# Altium PCB main_io.PcbDoc (part 2 of 6) (continued)
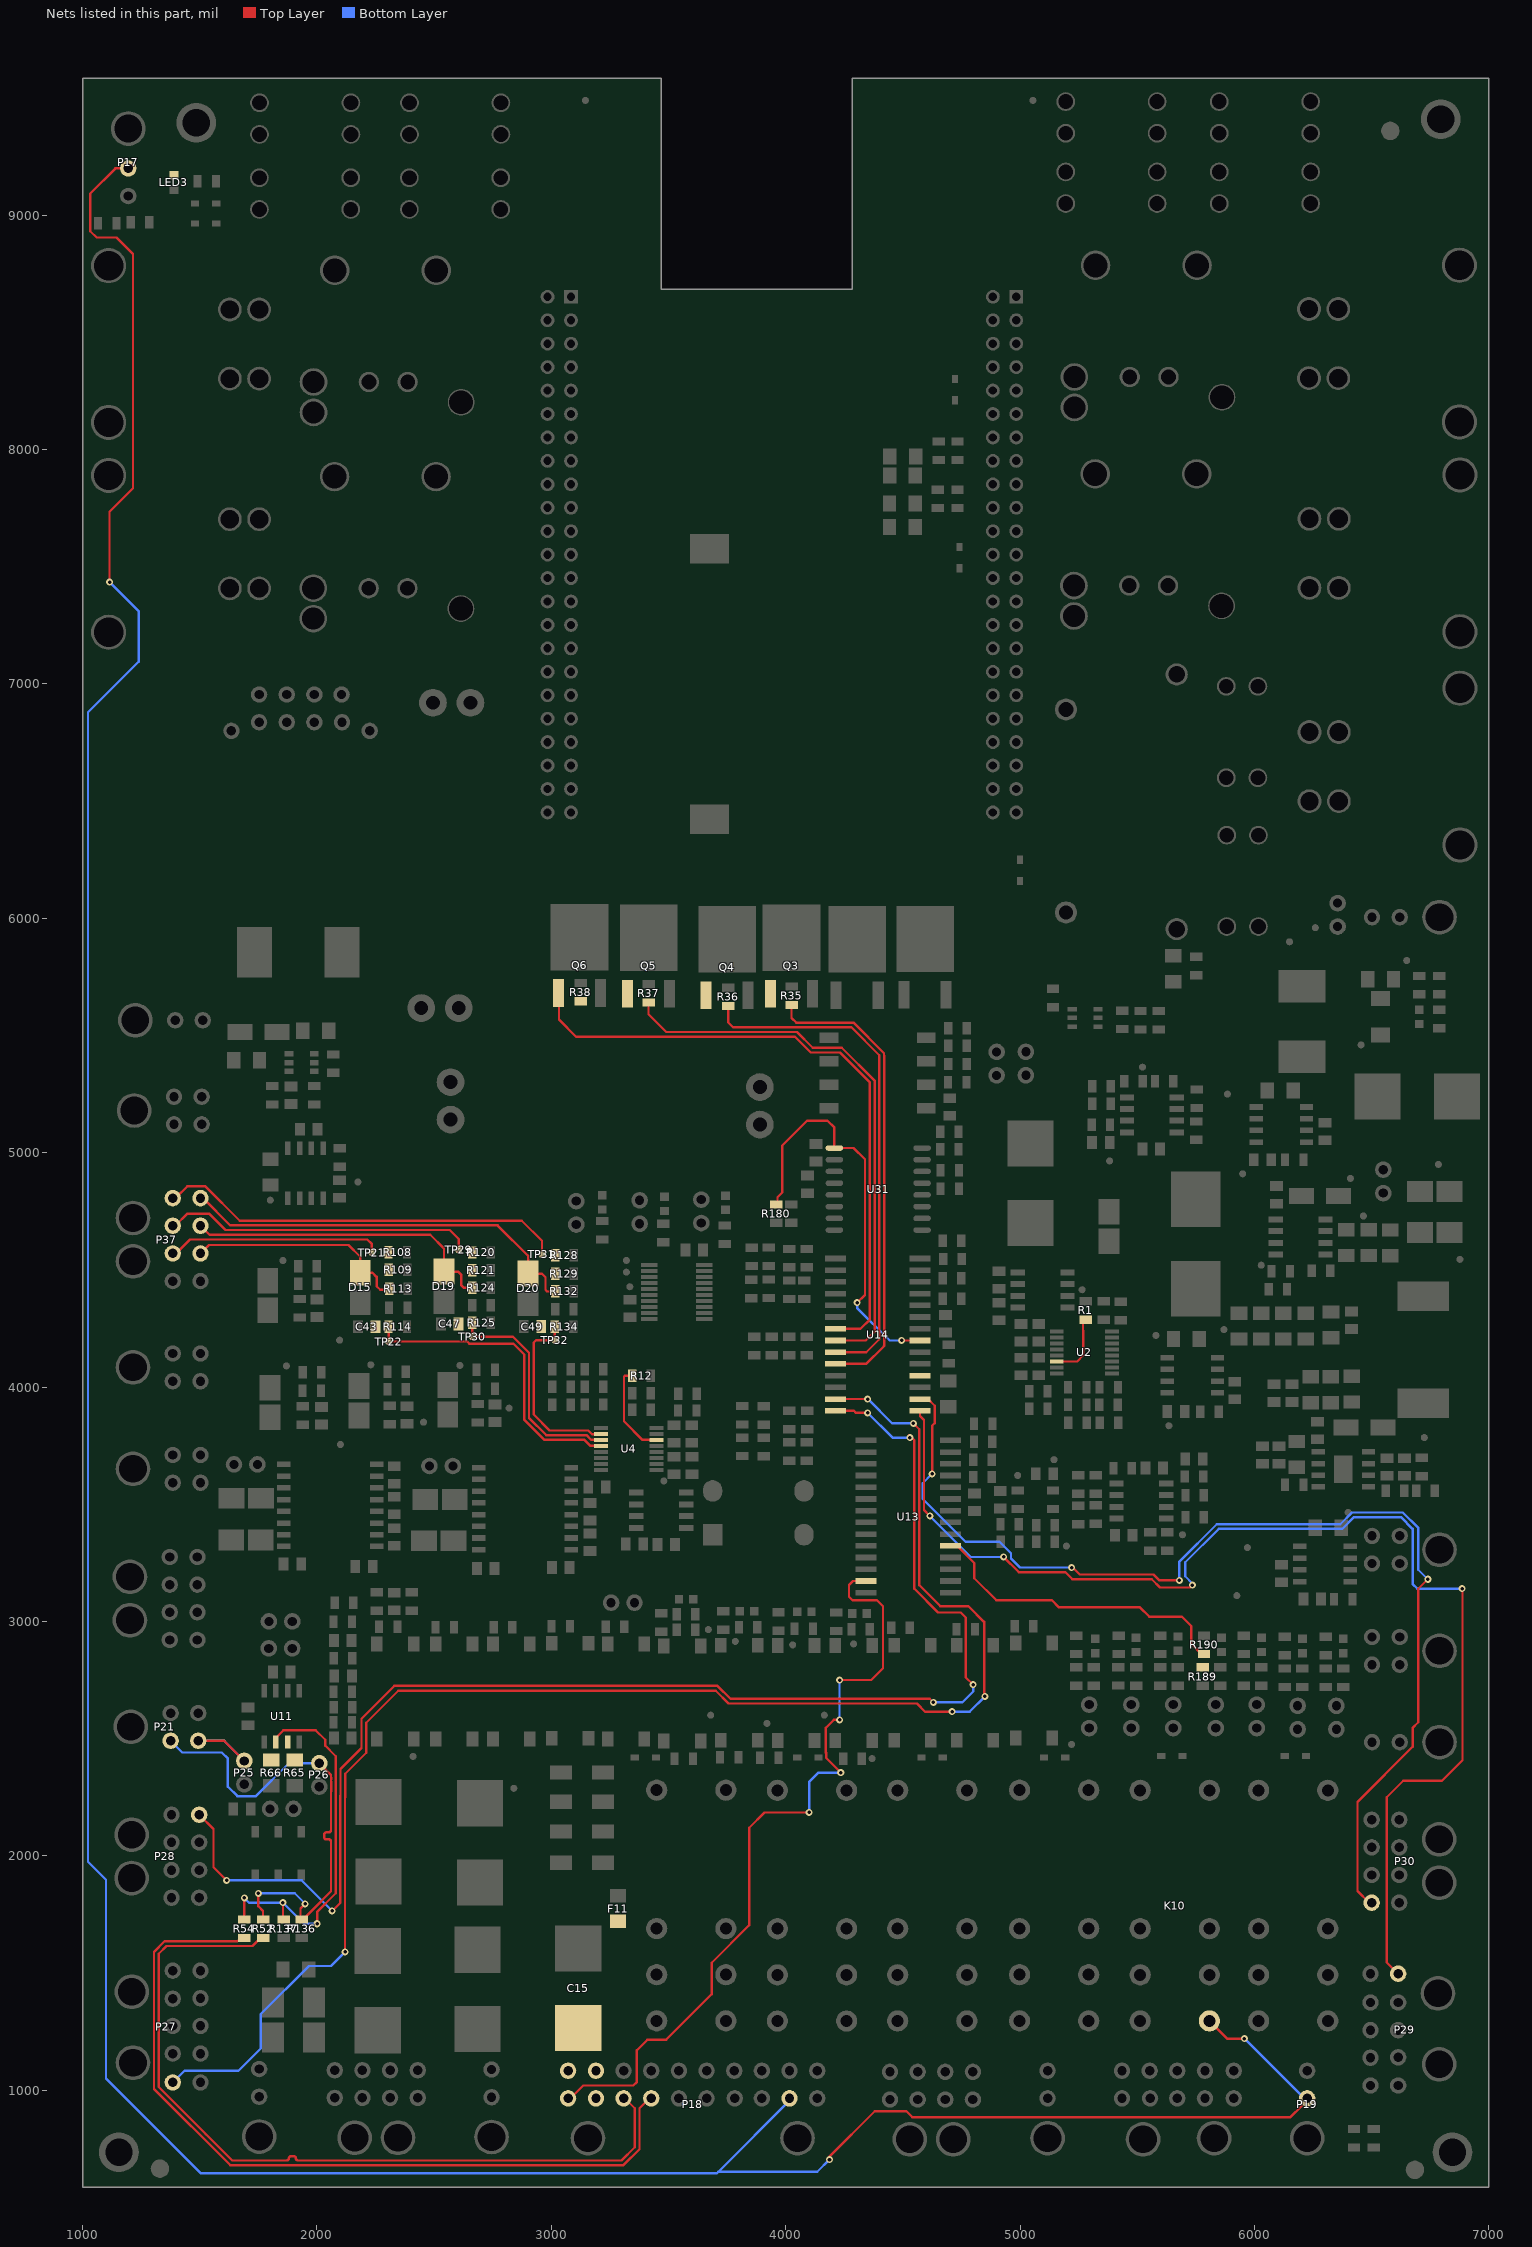
[diagram p4: the nets of this part, all layers, seen from the top]
## Part data (continued)
S1: "SWITCH SLIDE DPDT 200MA 12V", Current Rating=200mA, Manufacturer="Nidec Copal", Max Operating Temperature=85°C, Min Operating Temperature=-40°C, Operating Force=153gf, Supplier Part Number 1=563-1342-6-ND, Voltage Rating (DC)=12V, Actuator Length=2mm, Actuator Material=Nylon,Polyamide, Actuator Type=Standard, ComponentLink1Description=https://www.nidec-copal-electronics.com/e/catalog/switch/cl-sb.pdf?src-supplier=Digi-Key, ComponentLink1URL=https://www.nidec-copal-electronics.com/e/catalog/switch/cl-sb.pdf?src-supplier=Digi-Key, Contact Material=Copper, Contact Plating=Silver, Contact Style=Non-Shorting, Electrical Life=10000Cycles, Lead Free="Lead Free", Mount="Surface Mount", Packaging="Tape and Reel", Pricing 1="1=1.02, 10=0.979, 25=0.9592, 50=0.857, 100=0.8162, 250=0.79584 (USD)", Stock 1=3664, Supplier 1=Digi-Key, Switch Function=On-On, Switch Travel=2mm, Termination="Gull Wing", Throw Configuration=DPDT
S2: library part K12SCS1.55NOLFTX, "OFF-mom push button SPST K12SCS1.55NOLFTX", Current Rating=100mA, Manufacturer="ITT C&K", Max Operating Temperature=85°C, Min Operating Temperature=-40°C, Ratings=IP40, Supplier Part Number 1=CKN10790CT-ND, Voltage Rating (DC)=30V, Actuator Type="Round, Button", ComponentLink1Description=https://www.ckswitches.com/media/1338/k12s.pdf?src-supplier=Digi-Key, ComponentLink1URL=https://www.ckswitches.com/media/1338/k12s.pdf?src-supplier=Digi-Key, ComponentLink2Description=https://www.digikey.com/product-detail/en/c-k/K12SCS1.55NOLFTX/CKN10790CT-ND/7056072, ComponentLink2URL=https://www.digikey.com/product-detail/en/c-k/K12SCS1.55NOLFTX/CKN10790CT-ND/7056072, Electrical Life=200000Cycles, Manufacturer Part Number=K12SCS1.55NOLFTX, Mechanical Life=200000Cycles, Mount="Surface Mount", Packaging="Cut Tape", Pricing 1="1=2.33, 10=2.175, 25=2.0716, 50=1.968, 100=1.9162, 250=1.86436 (USD)", Stock 1=4036, Supplier 1=Digi-Key, Switch Function=Off-Mom, Termination=SMD/SMT, Throw Configuration=SPST
TH1 TH2 TH3 TH4 TH5 TH6: "NTC THERMISTOR 4.7K OHM 5% 0805", Case/Package=0805, Case Code (Metric)=2012, Current Rating=650uA, Manufacturer=Murata, Max Operating Temperature=125°C, Max Power Dissipation=200mW, Min Operating Temperature=-40°C, Package Quantity=4000, Resistance=4.7kR, Supplier Part Number 1=490-2453-1-ND, Tolerance=5%, Accuracy=3%, Case Code (Imperial)=0805, ComponentLink1Description=https://datasheet.ciiva.com/30488/0900766b81259d06-30488337.pdf?src-supplier=RSComponents, ComponentLink1URL=https://datasheet.ciiva.com/30488/0900766b81259d06-30488337.pdf?src-supplier=RSComponents, ComponentLink2Description=https://datasheet.ciiva.com/2848/r44e-2848550.pdf?src-supplier=Digi-Key, ComponentLink2URL=https://datasheet.ciiva.com/2848/r44e-2848550.pdf?src-supplier=Digi-Key, ComponentLink3Description=https://datasheet.ciiva.com/24155/r44e-24155222.pdf?src-supplier=Future+Electronics, ComponentLink3URL=https://datasheet.ciiva.com/24155/r44e-24155222.pdf?src-supplier=Future+Electronics, ComponentLink4Description=https://datasheet.ciiva.com/2848/r44e-2848551.pdf?src-supplier=Digi-Key, ComponentLink4URL=https://datasheet.ciiva.com/2848/r44e-2848551.pdf?src-supplier=Digi-Key, ComponentLink5Description=https://datasheet.ciiva.com/2848/r44e-2848552.pdf?src-supplier=Digi-Key, ComponentLink5URL=https://datasheet.ciiva.com/2848/r44e-2848552.pdf?src-supplier=Digi-Key, ComponentLink6Description=https://datasheet.ciiva.com/16634/l0770c-16634105.pdf?src-supplier=Avnet+Europe, ComponentLink6URL=https://datasheet.ciiva.com/16634/l0770c-16634105.pdf?src-supplier=Avnet+Europe, ComponentLink7Description=https://datasheet.ciiva.com/3280/l0770c-3280522.pdf?src-supplier=Avnet, ComponentLink7URL=https://datasheet.ciiva.com/3280/l0770c-3280522.pdf?src-supplier=Avnet, Depth=1.25mm, DNP=DNP, Height=0.85mm, Lead Free="Lead Free", Length=2mm, Manufacturer Part Number=NCP21XM472J03RA, Mount="Surface Mount", Number of Pins=2, Packaging="Tape and Reel", Power Rating=200mW, Pricing 1="1=0.20000, 5=0.19400, 10=0.17300, 25=0.15920, 50=0.12760, 100=0.10930, 500=0.09564, 1000=0.08197 (USD)", Radiation Hardening=No, REACH SVHC="No SVHC", RoHS=Yes, Stock 1=51855, Supplier 1=Digi-Key, Termination=SMD/SMT, Width=1.25mm
TP1 TP2 TP3 TP4 TP5 TP6 TP7 TP8 TP9 TP10 TP11 TP12 TP13 TP14 TP15 TP16 TP17 TP18 TP19 TP20 TP21 TP22 TP23 TP24 TP25 TP26 TP27 TP28 TP29 TP30 TP31 TP32 TP33 TP34 TP35 TP36 TP37 TP38 TP39 TP40 TP41 TP42 TP43 TP44 TP45 TP46 TP47 TP48 TP49 TP50 TP51 TP52 TP53 TP54 TP55 TP56 TP57 TP58: "SMD TEST POINT"
TP59 TP60 TP61: "Fiducial 2mm"
U1 U3: "IC VREF SERIES 4.5V 8SOIC", Case/Package=R, Manufacturer="Analog Devices", Max Input Voltage=18V, Max Operating Temperature=85°C, Max Output Current=30mA, Max Output Voltage=4.5V, Min Input Voltage=4.75V, Min Operating Temperature=-40°C, Min Output Voltage=4.49V, Nominal Supply Current=45uA, Package Quantity=98, Quiescent Current=15uA, Supplier Part Number 1=REF194GSZ-ND, Temperature Coefficient=25ppm/°C, ComponentLink1Description=https://datasheet.ciiva.com/17219/ref19xseries-17219157.pdf?src-supplier=Avnet+Europe, ComponentLink1URL=https://datasheet.ciiva.com/17219/ref19xseries-17219157.pdf?src-supplier=Avnet+Europe, ComponentLink2Description=https://datasheet.ciiva.com/22666/1506113-22666153.pdf?src-supplier=Element14, ComponentLink2URL=https://datasheet.ciiva.com/22666/1506113-22666153.pdf?src-supplier=Element14, ComponentLink3Description=https://datasheet.ciiva.com/2005/ref19xseries-2005902.pdf?src-supplier=Digi-Key, ComponentLink3URL=https://datasheet.ciiva.com/2005/ref19xseries-2005902.pdf?src-supplier=Digi-Key, ComponentLink4Description=https://datasheet.ciiva.com/3235/ref19xseries-3235518.pdf?src-supplier=Avnet, ComponentLink4URL=https://datasheet.ciiva.com/3235/ref19xseries-3235518.pdf?src-supplier=Avnet, Height=1.5mm, Lead Free="Contains Lead", Length=5mm, Manufacturer Part Number=REF194GSZ, Number of Channels=1, Number of Pins=8, Operating Supply Current=45uA, Output Current=30mA, Output Voltage=4.5V, Packaging=Rail/Tube, Pricing 1="1=3.56000, 10=3.19700, 25=3.02240, 100=2.61940, 250=2.48512, 500=2.22988, 1000=1.88062, 2500=1.78659 (USD)", Radiation Hardening=No, REACH SVHC="No SVHC", Reference Type=Series, Reference Voltage=4.5V, RoHS=Yes, Stock 1=359, Supplier 1=Digi-Key, Width=4mm
U2 U4: "Analog to Digital Converters - ADC", Case/Package=TSSOP, Manufacturer="TI National Semiconductor", Max Operating Temperature=125°C, Max Power Dissipation=33mW, Max Supply Voltage=5.5V, Min Operating Temperature=-40°C, Min Supply Voltage=3V, Package Quantity=2500, Power Consumption=2mW, Power Dissipation=2.01mW, Supplier Part Number 1=296-41182-1-ND, ComponentLink1Description=https://datasheet.ciiva.com/14259/adc128d818-14259977.pdf?src-supplier=Avnet, ComponentLink1URL=https://datasheet.ciiva.com/14259/adc128d818-14259977.pdf?src-supplier=Avnet, Contact Plating=Tin,Matte, Differential Nonlinearity=1LSB, Integral Nonlinearity (INL)=-2LSB, Interface=I2C, Lead Free="Lead Free", Manufacturer Part Number=ADC128D818CIMTX/NOPB, Mount="Surface Mount", Number of A/D Converters=1, Number of Bits=12, Number of Channels=8, Number of Converters=4, Number of Elements=1, Number of Inputs=8, Number of Pins=16, Packaging="Tape and Reel", Polarity=Unipolar, Pricing 1="1=4.68000, 10=4.20700, 100=3.44660, 500=2.93402, 1000=2.47447 (USD)", Radiation Hardening=No, Resolution=12b, RoHS=Yes, Sampling Rate=10000S/s, Stock 1=21177, Supplier 1=Digi-Key, Supply Type=Analog,Digital,Single
U6: "IC COMP WINDOW W/REF 6SOT", Case/Package=SOT-23-6, Manufacturer="Texas Instruments", Max Operating Temperature=125°C, Max Supply Voltage=36V, Min Operating Temperature=-40°C, Min Supply Voltage=1.8V, Quiescent Current=11uA, Supplier Part Number 1=296-38622-1-ND, ComponentLink1Description=http://www.ti.com/general/docs/lit/getliterature.tsp?genericPartNumber=TPS3701&amp;&amp;fileType=pdf&src-supplier=Farnell, ComponentLink1URL=http://www.ti.com/general/docs/lit/getliterature.tsp?genericPartNumber=TPS3701&amp;&amp;fileType=pdf&src-supplier=Farnell, ComponentLink2Description=http://www.ti.com/general/docs/lit/getliterature.tsp?genericPartNumber=TPS3701&&fileType=pdf&src-supplier=Element14, ComponentLink2URL=http://www.ti.com/general/docs/lit/getliterature.tsp?genericPartNumber=TPS3701&&fileType=pdf&src-supplier=Element14, ComponentLink3Description=http://www.ti.com/lit/ds/symlink/tps3701.pdf?src-supplier=Digi-Key, ComponentLink3URL=http://www.ti.com/lit/ds/symlink/tps3701.pdf?src-supplier=Digi-Key, ComponentLink4Description=http://www.ti.com/general/docs/lit/getliterature.tsp?genericPartNumber=TPS3701&&fileType=pdf&src-supplier=Avnet, ComponentLink4URL=http://www.ti.com/general/docs/lit/getliterature.tsp?genericPartNumber=TPS3701&&fileType=pdf&src-supplier=Avnet, ComponentLink5Description=http://www.ti.com/lit/gpn/tps3701?src-supplier=Mouser, ComponentLink5URL=http://www.ti.com/lit/gpn/tps3701?src-supplier=Mouser, Hysteresis=5.5mV, Lead Free="Lead Free", Mount="Surface Mount", Number of Elements=1, Number of Pins=6, Packaging="Tape and Reel", Pricing 1="1=2.74, 10=2.459, 25=2.32, 100=1.8561 (USD)", Propagation Delay=28.1us, REACH SVHC="No SVHC", Response Time=155us, Stock 1=2174, Supplier 1=Digi-Key
U7: library part Beaglebone, "KIT DEV BEAGLEBONE BLACK REV C. Header Breakout", Manufacturer P/N="Beaglebone Black REV C", ComponentLink1Description=Digikey, ComponentLink1URL=https://www.digikey.com/product-detail/en/ghi-electronics-llc/BBB01-SC-505/BBB01-SC-505-ND/6210999, Datasheet=https://media.digikey.com/pdf/Data%20Sheets/Circuitco%20Elect/BB-BBLK-000%20Manual.pdf, Digikey Link=https://www.digikey.com/product-detail/en/ghi-electronics-llc/BBB01-SC-505/BBB01-SC-505-ND/6210999, Digikey P/N=BBB01-SC-505-ND, Manufactuer=Beaglebone
U8 U23: "IC OPAMP JFET 3MHZ 8SOIC", Case/Package=D, Dual Supply Voltage=9V, Input Bias Current=200pA, Input Offset Voltage (Vos)=10mV, Manufacturer="Texas Instruments", Max Dual Supply Voltage=18V, Max Operating Temperature=85°C, Min Dual Supply Voltage=3.5V, Min Operating Temperature=-40°C, Nominal Supply Current=5mA, Operating Supply Current=1.4mA, Package Quantity=1, Supplier Part Number 1=296-1282-6-ND, Voltage Gain=106.02dB, Bandwidth=3MHz, Common Mode Rejection Ratio=70dB, ComponentLink1Description=http://www.ti.com/lit/ds/symlink/tl071a.pdf?src-supplier=Digi-Key, ComponentLink1URL=http://www.ti.com/lit/ds/symlink/tl071a.pdf?src-supplier=Digi-Key, ComponentLink2Description=http://www.ti.com/general/docs/lit/getliterature.tsp?genericPartNumber=TL072&&fileType=pdf&src-supplier=Avnet, ComponentLink2URL=http://www.ti.com/general/docs/lit/getliterature.tsp?genericPartNumber=TL072&&fileType=pdf&src-supplier=Avnet, ComponentLink3Description=http://www.farnell.com/datasheets/1882732.pdf?src-supplier=Element14, ComponentLink3URL=http://www.farnell.com/datasheets/1882732.pdf?src-supplier=Element14, Contact Plating=Gold, Gain Bandwidth Product=3MHz, Height=1.58mm, Lead Free="Lead Free", Length=4.9mm, Max I/O Voltage=10mV, Max Supply Voltage=18V, Nominal Gain Bandwidth Product=3MHz, Number of Amplifiers=2, Number of Channels=2, Number of Circuits=2, Number of Elements=2, Number of Pins=8, Packaging="Tape and Reel", Pricing 1="1=0.41, 10=0.334, 100=0.2059, 500=0.1562, 1000=0.11715 (USD)", Radiation Hardening=No, REACH SVHC="No SVHC", Slew Rate=13V/µs, Stock 1=21821, Supplier 1=Digi-Key, Unity Gain Bandwidth Product=3MHz, Width=3.91mm
U9 U22 U25 U36: "IC AMP CURRENT SENSE 8-TSSOP 100V/V", Case/Package=TSSOP, Input Bias Current=90uA, Input Offset Voltage (Vos)=5uV, Manufacturer="Texas Instruments", Max Operating Temperature=125°C, Min Operating Temperature=-40°C, Operating Supply Current=1.8mA, Supplier Part Number 1=296-45090-1-ND, -3db Bandwidth=400kHz, ComponentLink1Description=http://www.ti.com/general/docs/lit/getliterature.tsp?genericPartNumber=INA240&fileType=pdf&src-supplier=Farnell, ComponentLink1URL=http://www.ti.com/general/docs/lit/getliterature.tsp?genericPartNumber=INA240&fileType=pdf&src-supplier=Farnell, ComponentLink2Description=http://www.ti.com/lit/ds/symlink/ina240.pdf?src-supplier=Digi-Key, ComponentLink2URL=http://www.ti.com/lit/ds/symlink/ina240.pdf?src-supplier=Digi-Key, Mount="Surface Mount", Number of Circuits=1, Number of Pins=8, Packaging="Tape and Reel", Pricing 1="1=2.65, 10=2.377, 25=2.2428, 100=1.7943, 250=1.56996, 500=1.52512, 1000=1.21113 (USD)", Slew Rate=2V/µs, Stock 1=4680, Supplier 1=Digi-Key
U10 U12: "IC DRVR/RCVR MULTCH RS232 16SOIC", Case/Package=SOIC, Manufacturer="Texas Instruments", Max Operating Temperature=85°C, Max Supply Voltage=5.5V, Min Operating Temperature=-40°C, Min Supply Voltage=3V, Nominal Supply Current=1mA, Operating Supply Voltage=5V, Output Current=60mA, Output Voltage=5.4V, Package Quantity=40, Supplier Part Number 1=296-26159-5-ND, ComponentLink1Description=http://www.farnell.com/datasheets/1823586.pdf?src-supplier=Element14, ComponentLink1URL=http://www.farnell.com/datasheets/1823586.pdf?src-supplier=Element14, ComponentLink2Description=http://www.ti.com/lit/ds/symlink/max3232.pdf?src-supplier=Digi-Key, ComponentLink2URL=http://www.ti.com/lit/ds/symlink/max3232.pdf?src-supplier=Digi-Key, ComponentLink3Description=http://focus.ti.com/lit/ds/symlink/max3232.pdf?src-supplier=Avnet+Europe, ComponentLink3URL=http://focus.ti.com/lit/ds/symlink/max3232.pdf?src-supplier=Avnet+Europe, ComponentLink4Description=http://www.produktinfo.conrad.com/datenblaetter/1100000-1199999/001187156-da-01-en-IC_DRVR_RCVR_MULT_MAX3232IDW_SOIC_16_TID.pdf?src-supplier=Conrad, ComponentLink4URL=http://www.produktinfo.conrad.com/datenblaetter/1100000-1199999/001187156-da-01-en-IC_DRVR_RCVR_MULT_MAX3232IDW_SOIC_16_TID.pdf?src-supplier=Conrad, Data Rate=250Kbps, Height=2.35mm, Lead Free="Lead Free", Length=10.28mm, Logic Function=Transceiver,Receiver, Mount="Surface Mount", Number of Drivers=2, Number of Pins=16, Number of Receivers=2, Number of Transceivers=1, Number of Transmitters=2, Packaging=Rail/Tube, Pricing 1="1=2.15, 10=1.927, 25=1.818, 100=1.4543, 250=1.27252, 500=1.23618, 1000=0.98167, 2500=0.9604 (USD)", Radiation Hardening=No, REACH SVHC="No SVHC", RoHS Compliant=Yes, Simplex/Duplex="Full Duplex", Stock 1=419, Supplier 1=Digi-Key, Weight=0.014829oz, Width=7.52mm
U11: "IC TXRX CAN 5V HS 8SOIC", Manufacturer=TI, Manufacturer P/N=SN65HVD256DR, Digikey Link=https://www.digikey.com/product-detail/en/texas-instruments/SN65HVD256DR/296-30093-1-ND/2798832, Digikey P/N=296-30093-1-ND
U13 U14: "IC I/O EXPANDER I2C 16B 28SOIC", Manufacturer=Microchip, Digikey Link=https://www.digikey.com/product-detail/en/microchip-technology/MCP23017T-E-SO/MCP23017T-E-SOCT-ND/5358289, Digikey P/N=MCP23017T-E/SOCT-ND, Manufacturer P/N=MCP23017T-E/SO
U15 U16 U17 U18 U20 U26 U27 U29 U30 U32 U33 U34: "OPTOISO 5KV TRANS 4SOP", Manufacturer="Taiwan Semi", Manufacturer P/N="TPC817S1B RAG", Digikey Link=https://www.digikey.com/product-detail/en/taiwan-semiconductor-corporation/TPC817S1B-RAG/TPC817S1BRAGCT-ND/7359679, Digikey P/N=TPC817S1BRAGCT-ND
U19: "Honeywell Digital Pressure Sensor", ComponentLink1Description=Part, ComponentLink1URL=https://www.digikey.com/product-detail/en/honeywell-sensing-and-productivity-solutions/SSCMNNN030PA2A3/480-6407-ND/2416123, ComponentLink2Description=Datasheet, ComponentLink2URL=https://sensing.honeywell.com/index.php?ci_id=151134
U21: Case/Package=D, Manufacturer="Texas Instruments", Manufacturer Part Number=TPS5420D, Max Input Voltage=36V, Max Operating Temperature=125°C, Max Output Current=2A, Max Output Voltage=31V, Min Input Voltage=5.5V, Min Operating Temperature=-40°C, Min Output Voltage=1.23V, Package Quantity=75, Quiescent Current=3mA, Supplier Part Number 1=296-19671-5-ND, Switching Frequency=500kHz, ComponentLink1Description=https://datasheet.ciiva.com/4880/slvs642c-120503-4880259.pdf?src-supplier=Mouser, ComponentLink1URL=https://datasheet.ciiva.com/4880/slvs642c-120503-4880259.pdf?src-supplier=Mouser, ComponentLink2Description=https://datasheet.ciiva.com/15113/getdatasheetpartid-188336-15113748.pdf?src-supplier=Verical, ComponentLink2URL=https://datasheet.ciiva.com/15113/getdatasheetpartid-188336-15113748.pdf?src-supplier=Verical, ComponentLink3Description=https://datasheet.ciiva.com/27051/1113040-27051457.pdf?src-supplier=Jameco, ComponentLink3URL=https://datasheet.ciiva.com/27051/1113040-27051457.pdf?src-supplier=Jameco, ComponentLink4Description=https://datasheet.ciiva.com/26896/tps5420d-26896666.pdf?src-supplier=IIIC, ComponentLink4URL=https://datasheet.ciiva.com/26896/tps5420d-26896666.pdf?src-supplier=IIIC, ComponentLink5Description=https://datasheet.ciiva.com/2026/tps5420-2026757.pdf?src-supplier=Digi-Key, ComponentLink5URL=https://datasheet.ciiva.com/2026/tps5420-2026757.pdf?src-supplier=Digi-Key, ComponentLink6Description=https://datasheet.ciiva.com/7993/1764415-7993820.pdf?src-supplier=Element14, ComponentLink6URL=https://datasheet.ciiva.com/7993/1764415-7993820.pdf?src-supplier=Element14, ComponentLink7Description=https://datasheet.ciiva.com/3220/tps5420-3220182.pdf?src-supplier=Avnet, ComponentLink7URL=https://datasheet.ciiva.com/3220/tps5420-3220182.pdf?src-supplier=Avnet, ComponentLink8Description=https://datasheet.ciiva.com/26248/tps5420-26248554.pdf?src-supplier=Avnet+Europe, ComponentLink8URL=https://datasheet.ciiva.com/26248/tps5420-26248554.pdf?src-supplier=Avnet+Europe, Efficiency=95%, Height=1.58mm, Lead Free="Lead Free", Length=4.9mm, Number of Outputs=1, Number of Pins=8, Operating Supply Voltage=36V, Output Current=2A, Output Type=Adjustable, Output Voltage=31V, Packaging=Rail/Tube, Pricing 1="1=3.78000, 10=3.39400, 75=3.20853, 150=2.78073, 525=2.36716, 1050=1.99640, 2550=1.89658, 5025=1.82528 (USD)", Radiation Hardening=No, REACH SVHC="No SVHC", RoHS=Yes, Stock 1=5221, Supplier 1=Digi-Key, Synchronous Rectifier=No, Weight=0.002677oz, Width=3.91mm
U24: "IC REG BUCK SPLT ADJ 5A 8PWRSOIC", Manufacturer="Texas Instruments", Max Input Voltage=60V, Max Operating Temperature=125°C, Max Output Voltage=58.8V, Min Input Voltage=4.5V, Min Operating Temperature=-40°C, Min Output Voltage=800mV, Output Current=5A, Supplier Part Number 1=296-45534-6-ND, Switching Frequency=2.5MHz, ComponentLink1Description=http://www.ti.com/lit/ds/symlink/tps54560b-q1.pdf?src-supplier=Digi-Key, ComponentLink1URL=http://www.ti.com/lit/ds/symlink/tps54560b-q1.pdf?src-supplier=Digi-Key, Mount="Surface Mount", Number of Outputs=1, Number of Pins=8, Output Configuration=Positive, Output Type=Adjustable, Packaging="Tape and Reel", Pricing 1="1=5.95, 10=5.347, 100=4.1559, 500=3.59428, 1000=2.98775 (USD)", Stock 1=1216, Supplier 1=Digi-Key, Synchronous Rectifier=No
U28: "GreenPAK Programmable Mixed Signal Matrix with In-System Programmability", Manufacturer="Dialog Semiconductor", Manufacturer Part Number=SLG46826V-SKT, Supplier Part Number 1=03AH3078, Pricing 1="1=45.65000, 5=44.43000, 10=43.15000, 25=42.51000, 50=41.89000, 100=39.38000 (USD)", RoHS=No, Stock 1=4, Supplier 1=Newark
U31: library part DS3231, Case/Package=SOIC, Frequency=32.768kHz, Manufacturer=Maxim, Manufacturer Part Number=DS3231SN#, Max Operating Temperature=85°C, Max Supply Voltage=5.5V, Min Operating Temperature=-40°C, Min Supply Voltage=2.3V, Operating Supply Voltage=3.3V, Package Quantity=46, Supplier Part Number 1=DS3231SN#-ND, ComponentLink1Description=https://datasheets.maximintegrated.com/en/ds/DS3231-DS3231S.pdf?src-supplier=Digi-Key, ComponentLink1URL=https://datasheets.maximintegrated.com/en/ds/DS3231-DS3231S.pdf?src-supplier=Digi-Key, ComponentLink2Description=http://datasheets.maxim-ic.com/en/ds/DS3231.pdf?src-supplier=Avnet+Europe, ComponentLink2URL=http://datasheets.maxim-ic.com/en/ds/DS3231.pdf?src-supplier=Avnet+Europe, ComponentLink3Description=http://www.farnell.com/datasheets/1675711.pdf?src-supplier=Element14, ComponentLink3URL=http://www.farnell.com/datasheets/1675711.pdf?src-supplier=Element14, ComponentLink4Description=http://www.mouser.com/ds/2/256/DS3231-102175.pdf?src-supplier=Mouser, ComponentLink4URL=http://www.mouser.com/ds/2/256/DS3231-102175.pdf?src-supplier=Mouser, ComponentLink5Description=http://datasheets.maximintegrated.com/en/ds/DS3231.pdf?src-supplier=Avnet, ComponentLink5URL=http://datasheets.maximintegrated.com/en/ds/DS3231.pdf?src-supplier=Avnet, ComponentLink6Description=http://datasheet.iiic.cc/maxim/DS3231SN_.pdf?src-supplier=IIIC, ComponentLink6URL=http://datasheet.iiic.cc/maxim/DS3231SN_.pdf?src-supplier=IIIC, Date Format=YY-MM-DD-dd, Height=2.35mm, Interface=I2C,Serial,2-Wire, Lead Free="Lead Free", Length=10.5mm, Logic Function=Clock, Mount="Surface Mount", Number of Outputs=1, Number of Pins=16, Packaging=Bulk, Pricing 1="1=9.61, 10=8.685, 25=8.2812, 100=7.1906, 250=6.8674, 500=6.26146, 1000=5.45353 (USD)", Radiation Hardening=No, REACH SVHC=Unknown, Stock 1=2824, Supplier 1=Digi-Key, Termination=SMD/SMT, Time Format=HH:MM:SS, Weight=0.023492oz, Width=7.6mm
U35: "Conv DC-DC Single Step Up 2.7V to 14V 5-Pin SOT-23 T/R", Case/Package=SOT-23, Manufacturer="TI National Semiconductor", Max Input Voltage=14V, Max Operating Temperature=125°C, Min Input Voltage=2.7V, Min Operating Temperature=-40°C, Operating Supply Voltage=14.5V, Output Current=1.5A, Output Voltage=40V, Package Quantity=3000, Quiescent Current=1.1mA, Supplier Part Number 1=296-35167-6-ND, Switching Frequency=600kHz, ComponentLink1Description=http://components.arrow.com/part/dataview/1762_06702878?src-supplier=Arrow+Europe, ComponentLink1URL=http://components.arrow.com/part/dataview/1762_06702878?src-supplier=Arrow+Europe, ComponentLink2Description=http://components.arrow.com/part/dataview/53670479S7334342N1317?src-supplier=Arrow, ComponentLink2URL=http://components.arrow.com/part/dataview/53670479S7334342N1317?src-supplier=Arrow, ComponentLink3Description=http://www.ti.com/lit/ds/symlink/lm2733.pdf?src-supplier=Digi-Key, ComponentLink3URL=http://www.ti.com/lit/ds/symlink/lm2733.pdf?src-supplier=Digi-Key, Contact Plating=Tin,Matte, Lead Free="Lead Free", Manufacturer Part Number=LM2733YMFX/NOPB, Mount="Surface Mount", Number of Outputs=1, Number of Pins=5, Output Type=Adjustable, Packaging="Tape and Reel", Pricing 1="1=1.86, 10=1.667, 25=1.5724, 100=1.258, 250=1.10076, 500=1.0693, 1000=0.84915 (USD)", Radiation Hardening=No, Stock 1=620, Supplier 1=Digi-Key, Synchronous Rectifier=No, Topology=Boost

## Via types
v1: diameter 30, hole 15, Top Layer to Bottom Layer, 396 vias
v2: diameter 50, hole 28, Top Layer to Bottom Layer, 8 vias

## Nets (pads, with @x,y where several pads share a name; then routed paths per layer and width w, separated by ;. In a path a pad name is that pad's centre, name@x,y a point inside that pad or via, vN(x,y) a via of type N, cw(c..) or ccw(c..) an arc to the next point about the centre after c; other vN are vias at no path point)
12V_SPLY_EN: U14.4
32kHz: R180.1 U14.7 U31.1 | length 1769.8
  Top Layer w10: R180.1@3974.37,4779.37 R180.1@3960,4779.37 3965,4784.37 3965,4810 3985,4830 3985,5030.24 4091.3,5136.54 4178.46,5136.54 4207.99,5107.01 U31.1@4207.99,5020 4290,5020 4338.21,4971.79 4338.21,4393.21 v1(4305,4360) ; v1(4495,4198.78) 4563.13,4198.78 4566.91,4195 4571.91,4200 U14.7@4573.13,4198.78
  Bottom Layer w10: v1(4305,4360) 4305,4337.56 4443.78,4198.78 v1(4495,4198.78)
ADC0_INT: R1.1 U2.6 | length 281.5
  Top Layer w10: U2.6@5156.89,4109.43 5243.86,4109.43 5270,4135.57 5270,4240.22 5268.76,4241.46 5268.76,4276.02 R1.1@5280.47,4287.73
ADC1_INT: R12.1 U4.6 | length 399
  Top Layer w10: R12.1@3345.63,4048.27 3314,4048.27 3310,4044.27 3310,3853.91 3389.34,3774.57 U4.6@3448.51,3774.57
ADC_EXTRA0: C43.1 R114.2 TP22.1 U4.12 | length 1326.5
  Top Layer w10: R114.2@2305.67,4266.37 R114.2@2305.67,4257.59 TP22.1@2305.67,4194.35 2640.24,4195.24 2650.49,4185 2838.28,4185 2885,4138.28 2885,3860 2970.43,3774.57 3141.81,3774.57 3167.4,3748.98 U4.12@3212.29,3748.98
ADC_EXTRA1: C47.1 R125.2 TP30.1 U4.11 | length 954
  Top Layer w10: R125.2@2662.91,4274.21 TP30.1@2662.91,4215 2836.57,4215 2905,4146.57 2905,3868.28 2978.28,3795 3149.66,3795 3170.09,3774.57 U4.11@3212.29,3774.57
ADC_EXTRA2: C49.1 R134.2 TP32.1 U4.10 | length 794.5
  Top Layer w10: R134.2@3014.95,4257.99 TP32.1@3014.95,4200 2935,4200 2925,4190 2925,3882.73 2992.73,3815 3157.94,3815 3173.97,3798.97 3211.11,3798.97 U4.10@3212.29,3800.16 U4.10@3225,3800.16
ANLG_EXC_0: P37.2 R108.1 R109.1 TP21.1 | length 918.5
  Top Layer w10: P37.2@1385,4570.24 1398,4570.24 1457.76,4630 2214.74,4630 2234.37,4610.37 TP21.1@2234.37,4574.13
ANLG_EXC_1: P37.3 R120.1 R121.1 TP29.1 | length 1343.1
  Top Layer w10: P37.3@1385,4688.24 1395.25,4688.24 1447.01,4740 1540,4740 1610,4670 2566.81,4670 2605,4631.81 TP29.1@2605,4575
ANLG_EXC_2: P37.4 R128.1 R129.1 TP31.1 | length 1750.2
  Top Layer w10: P37.4@1385,4806.24 1396.24,4806.24 1446.24,4856.24 1523.95,4856.24 1670.2,4710 2874.25,4710 2960,4624.25 TP31.1@2960,4565.91
ANLG_RTN_0: D15.1 P37.6 R113.2 | length 963.7
  Top Layer w10: P37.6@1503,4570.24 1538.98,4606.22 2134.57,4606.22 2185,4555.79 D15.1@2185,4487.99 2236.69,4487.99 2254.61,4470.08 2254.61,4430.39 2270,4415 2304.26,4415 R113.2@2308.07,4418.81
ANLG_RTN_1: D19.1 P37.7 R124.2 | length 1352.8
  Top Layer w10: P37.7@1503,4688.24 1541.24,4650 2483.07,4650 2541.89,4591.18 D19.1@2541.89,4492.72 2602.02,4492.72 2615,4479.74 2615,4435 2625.79,4424.21 R124.2@2662.52,4424.21
ANLG_RTN_2: D20.1 P37.8 R132.2 | length 1754.4
  Top Layer w10: P37.8@1503,4806.24 1513.76,4806.24 1630,4690 2770.91,4690 2901.21,4559.69 D20.1@2901.21,4483.98 2959.29,4483.98 2975,4468.27 2975,4415 2982.01,4407.99 R132.2@3016.84,4407.99
BATT0_DISABLE: Q4.1 R36.2 U14.23 | length 2193.3
  Top Layer w10: R36.2@3755,5625.63 3755,5555.51 3775.51,5535 4280.58,5535 4399.37,5416.21 4399.37,4204.37 4343.78,4148.78 U14.23@4213.13,4148.78
BATT1_DISABLE: Q3.1 R35.2 U14.24 | length 2000.5
  Top Layer w10: R35.2@4025,5630.63 4025,5575 4045,5555 4288.86,5555 4419.37,5424.49 4419.37,5415.63 4420,5415 4420,4175 4411.9,4166.9 4345,4100 4214.35,4100 U14.24@4213.13,4098.78
BATT2_DISABLE: Q5.1 R37.2 U14.22 | length 2384.9
  Top Layer w10: R37.2@3415,5640.63 3415,5590.51 3490.51,5515 4048.28,5515 4115.65,5447.64 4239.65,5447.64 4379.37,5307.92 4379.37,4236.42 4341.73,4198.78 U14.22@4213.13,4198.78
BATT3_DISABLE: Q6.1 R38.2 U14.21 | length 2730.3
  Top Layer w10: Q6.1@3030.53,5681.81 3032.57,5683.85 3032.57,5568.06 3105.63,5495 4040,5495 4107.36,5427.64 4231.37,5427.64 4359.37,5299.64 4359.37,4288.78 4319.37,4248.78 U14.21@4213.13,4248.78
BMS_CAN_N: P18.7 R54.2 | length 3546.2
  Top Layer w10: 1425,1635 1350,1635 ; R54.2@1690,1649.61 1674.61,1649.61 1660,1635 1350,1635 ; P18.7@3426.49,965 3418.59,965 3376.09,922.5 3376.09,747.8 3308.28,680 1630,680 1305,1005 1305,1590 1350,1635
BMS_CAN_P: P18.8 R52.2 | length 3474.1
  Top Layer w10: R52.2@1770,1640.63 1750.63,1640.63 1725,1615 1358.28,1615 1325,1581.72 1325,1013.28 1526.04,812.25 1638.28,700 1865,700 1871,700 ccw(c1871,709) 1880,709 cw(c1889,709) 1889,718 1901,718 cw(c1901,709) 1910,709 ccw(c1919,709) 1919,700 2030,700 3300,700 3356.09,756.09 3356.09,922.5 3313.59,965 P18.8@3308.49,965
BMS_MPI1: P18.10 U13.27 | length 3444.3
  Top Layer w10: P18.10@3071,955 3136,1020 3350,1020 3365,1035 3365,1170 3410,1215 3490,1215 3684.72,1409.72 3684.72,1543.93 3845,1704.21 3845,2120 3910,2185 v1(4100,2185) ; v1(4230,2580) 4205,2580 4171.65,2546.65 4171.65,2440.35 4172.99,2439.01 4172.99,2417.01 v1(4235,2355) ; v1(4230,2750) 4365,2750 4415,2800 4415,3065 4390,3090 4285,3090 4270,3105 4270,3155 4287.61,3172.61 U13.27@4343.33,3172.61
  Bottom Layer w10: v1(4100,2185) 4100,2315 4140,2355 v1(4235,2355) ; v1(4230,2580) v1(4230,2750)
BMS_MPO1: K10.5 LED3.2 P17.1 P18.2 P19.1 | length 14997.2
  Top Layer w10: v1(1115,7435) 1115,7735 1215,7835 1215,8835 1145,8905 1060.13,8905 1032.91,8932.21 1032.91,9092.91 1140,9200 P17.1@1195,9200 ; v1(4187,704) 4187,717 4380,910 4515,910 4540,885 6154.37,885 6201.87,932.5 ; K10.5@5808.07,1295.28 5883.35,1220 v1(5957.52,1220)
  Bottom Layer w10: v1(1115,7435) 1239,7311 1239,7095 1023.27,6879.27 1023.27,1974.31 1100,1897.57 1100,1050 1505,645 3706,645 3713,652 ; P18.2@4021.24,960.24 3713,652 ; v1(4187,704) 4135,652 3713,652 ; v1(5957.52,1220) 6217.52,960 P19.1@6225,960
BMS_MPO2: P18.9
BMS_PWR: C15.1 F11.2 P18.19 P18.20
BMS_STAT_FDBK: R189.2 R190.1 U13.5 | length 1319.3
  Top Layer w10: U13.5@4737.13,3317.02 4805,3249.16 4805,3184.01 4899.01,3090 5136.28,3090 5166.28,3060 5512.01,3060 5552.01,3020 5690.52,3020 5730.52,2980 5730.52,2904.48 5774.37,2860.63 R190.1@5785,2860.63
BRK0_PWR_HRN: P27.1 U14.27 | length 6570.3
  Top Layer w10: P27.1@1385,1033 P27.1@1388,1033 ; v1(2120,1590) 2120,2248.39 2120.43,2248.82 2120.43,2350.43 2210,2440 2210,2567.76 2346.5,2704.25 3701.76,2704.25 3756.02,2650 4560,2650 4595,2615 v1(4710,2615) ; U14.27@4213.13,3948.78 v1(4350,3948.78) ; v1@4545,3848.68 v1(4545,3845) 4570,3820 4570,3237.47 4569.96,3237.43 4569.96,3155.04 4660,3065 4780,3065 4846.89,2998.11 4846.89,2683.11 v1(4850,2680)
  Bottom Layer w10: P27.1@1385,1033 1435,1083 1665.43,1083 1760,1177.57 1760,1324.29 1965.71,1530 2060,1530 v1(2120,1590) ; v1(4350,3948.78) 4351.22,3948.78 4455,3845 v1(4545,3845) ; v1(4710,2615) 4785,2615 v1(4850,2680)
BRK0_UART_HRN: P28.8 U14.28 | length 6056.4
  Top Layer w10: P28.8@1497.49,2175 1558.49,2114 1558.49,1951.51 v1(1615,1895) ; v1(2065,1765) 2100,1800 2100,2257.11 2100.43,2257.54 2100.43,2370.43 2190,2460 2190,2585 2330,2725 3709.3,2725 3764.3,2670 4615,2670 v1(4630,2655) ; U14.28@4213.13,3898.78 4291.22,3898.78 4300,3890 v1(4350,3890) ; v1@4527.8,3795 v1@4530,3792.8 ; v1(4530,3784.37) v1@4530,3792.8 ; v1(4800,2730) 4768.62,2761.38 4768.62,3016.38 4746.85,3038.15 4650.13,3038.15 4548.39,3139.9 4548.39,3774.41 v1@4530,3792.8
  Bottom Layer w10: v1(1615,1895) 1935,1895 v1(2065,1765) ; v1(4350,3890) 4455.63,3784.37 v1(4530,3784.37) ; v1(4630,2655) 4754,2655 4800,2701 v1(4800,2730)
BRK1_PWR_HRN: P29.1 U14.1 | length 5245.5
  Top Layer w10: U14.1@4573.13,3898.78 4573.13,3876.16 4590,3859.29 4590,3475 v1(4615,3450) ; v1(4930,3275) 4995,3210 5193.51,3210 5223.51,3180 5561.72,3180 5596.72,3145 5725,3145 v1(5735,3155) ; P29.1@6613.27,1497 6565,1545.27 6565,2250 6635,2320 6800,2320 6888,2408 6888,3133 6886,3135 v1(6886,3140)
  Bottom Layer w10: v1(4615,3450) 4790,3275 v1(4930,3275) ; v1(5735,3155) 5735,3162.43 5705,3192.43 5705,3252.39 5847.61,3395 6375,3395 6425,3445 6625,3445 6675,3395 6675,3160 6695,3140 v1(6886,3140)
BRK1_UART_HRN: P30.8 U14.2 | length 4741.6
  Top Layer w10: U14.2@4573.13,3948.78 4607.79,3948.78 4636.22,3920.35 4636.22,3846.22 4625,3835 v1(4625,3630) ; v1(5220,3230) 5215,3225 5230,3225 5255,3200 5570,3200 5595,3175 v1(5680,3175) ; P30.8@6500.27,1800 6490,1800 6440,1850 6440,2230 6675,2465 6675,2545.75 6699.27,2570.02 6699.27,3139.27 v1(6740,3180)
  Bottom Layer w10: v1(4625,3630) 4585,3590 4585,3522.43 4767.43,3340 4912.43,3340 4961.69,3290.74 4961.69,3268.63 5000.31,3230 v1(5220,3230) ; v1(5680,3175) 5680,3255.67 5839.33,3415 6366.72,3415 6416.72,3465 6633.28,3465 6700,3398.28 6699.27,3397.55 6699.27,3220.73 v1(6740,3180)
CAN1_H: P21.1 P26.1 R52.1 R65.1 R136.1 U11.7 | length 2065.4
  Top Layer w10: v1(1750,1840) 1750,1785 1770,1765 R52.1@1770,1728.07 ; v1(1950,1795) 1930,1775 1930,1728.07 R136.1@1935,1728.07 1940.12,1728.07 1980.8,1768.76 1980.8,1769.09 2060,1848.28 2060,2055 2060,2061 ccw(c2051,2061) 2051,2070 2040.06,2070 cw(c2040.06,2079) 2031.06,2079 2031.06,2091 cw(c2040.06,2091) 2040.06,2100 2051,2100 ccw(c2051,2109) 2060,2109 2060,2120 2060,2273.68 2060.43,2274.11 2060.43,2315.89 2060,2316.32 2060,2326.57 2060.43,2327 2060.43,2333.16 2060,2333.59 2060,2345 P26.1@2010,2395
  Bottom Layer w10: P21.1@1375.63,2491 1425.63,2441 1594,2441 1620,2415 1620,2295 1660.43,2254.57 1739.57,2254.57 1880,2395 P26.1@2010,2395 ; v1(1750,1840) 1905,1840 v1(1950,1795)
CAN1_L: P21.3 P25.1 R54.1 R66.1 R137.1 U11.6 | length 2079.4
  Top Layer w10: P21.3@1493.63,2491 1604,2491 P25.1@1690,2405 ; R54.1@1690,1728.35 v1(1690,1820) ; U11.6@1825,2485.75 1825,2503.94 1856.06,2535 1995,2535 2035,2495 2035,2470 2080.43,2424.57 2080.43,2265.83 2080,2265.39 2080,1840 2000.8,1760.8 v1(2000.8,1710) ; v1(1855,1800) 1855,1730.67 R137.1@1857.6,1728.07
  Bottom Layer w10: P21.3@1493.63,2491 1604,2491 P25.1@1690,2405 ; v1(1690,1820) 1710,1800 v1(1855,1800) 1945,1710 v1(2000.8,1710)